# Allegro board nu_2000_main_211102_02.brd (continued)
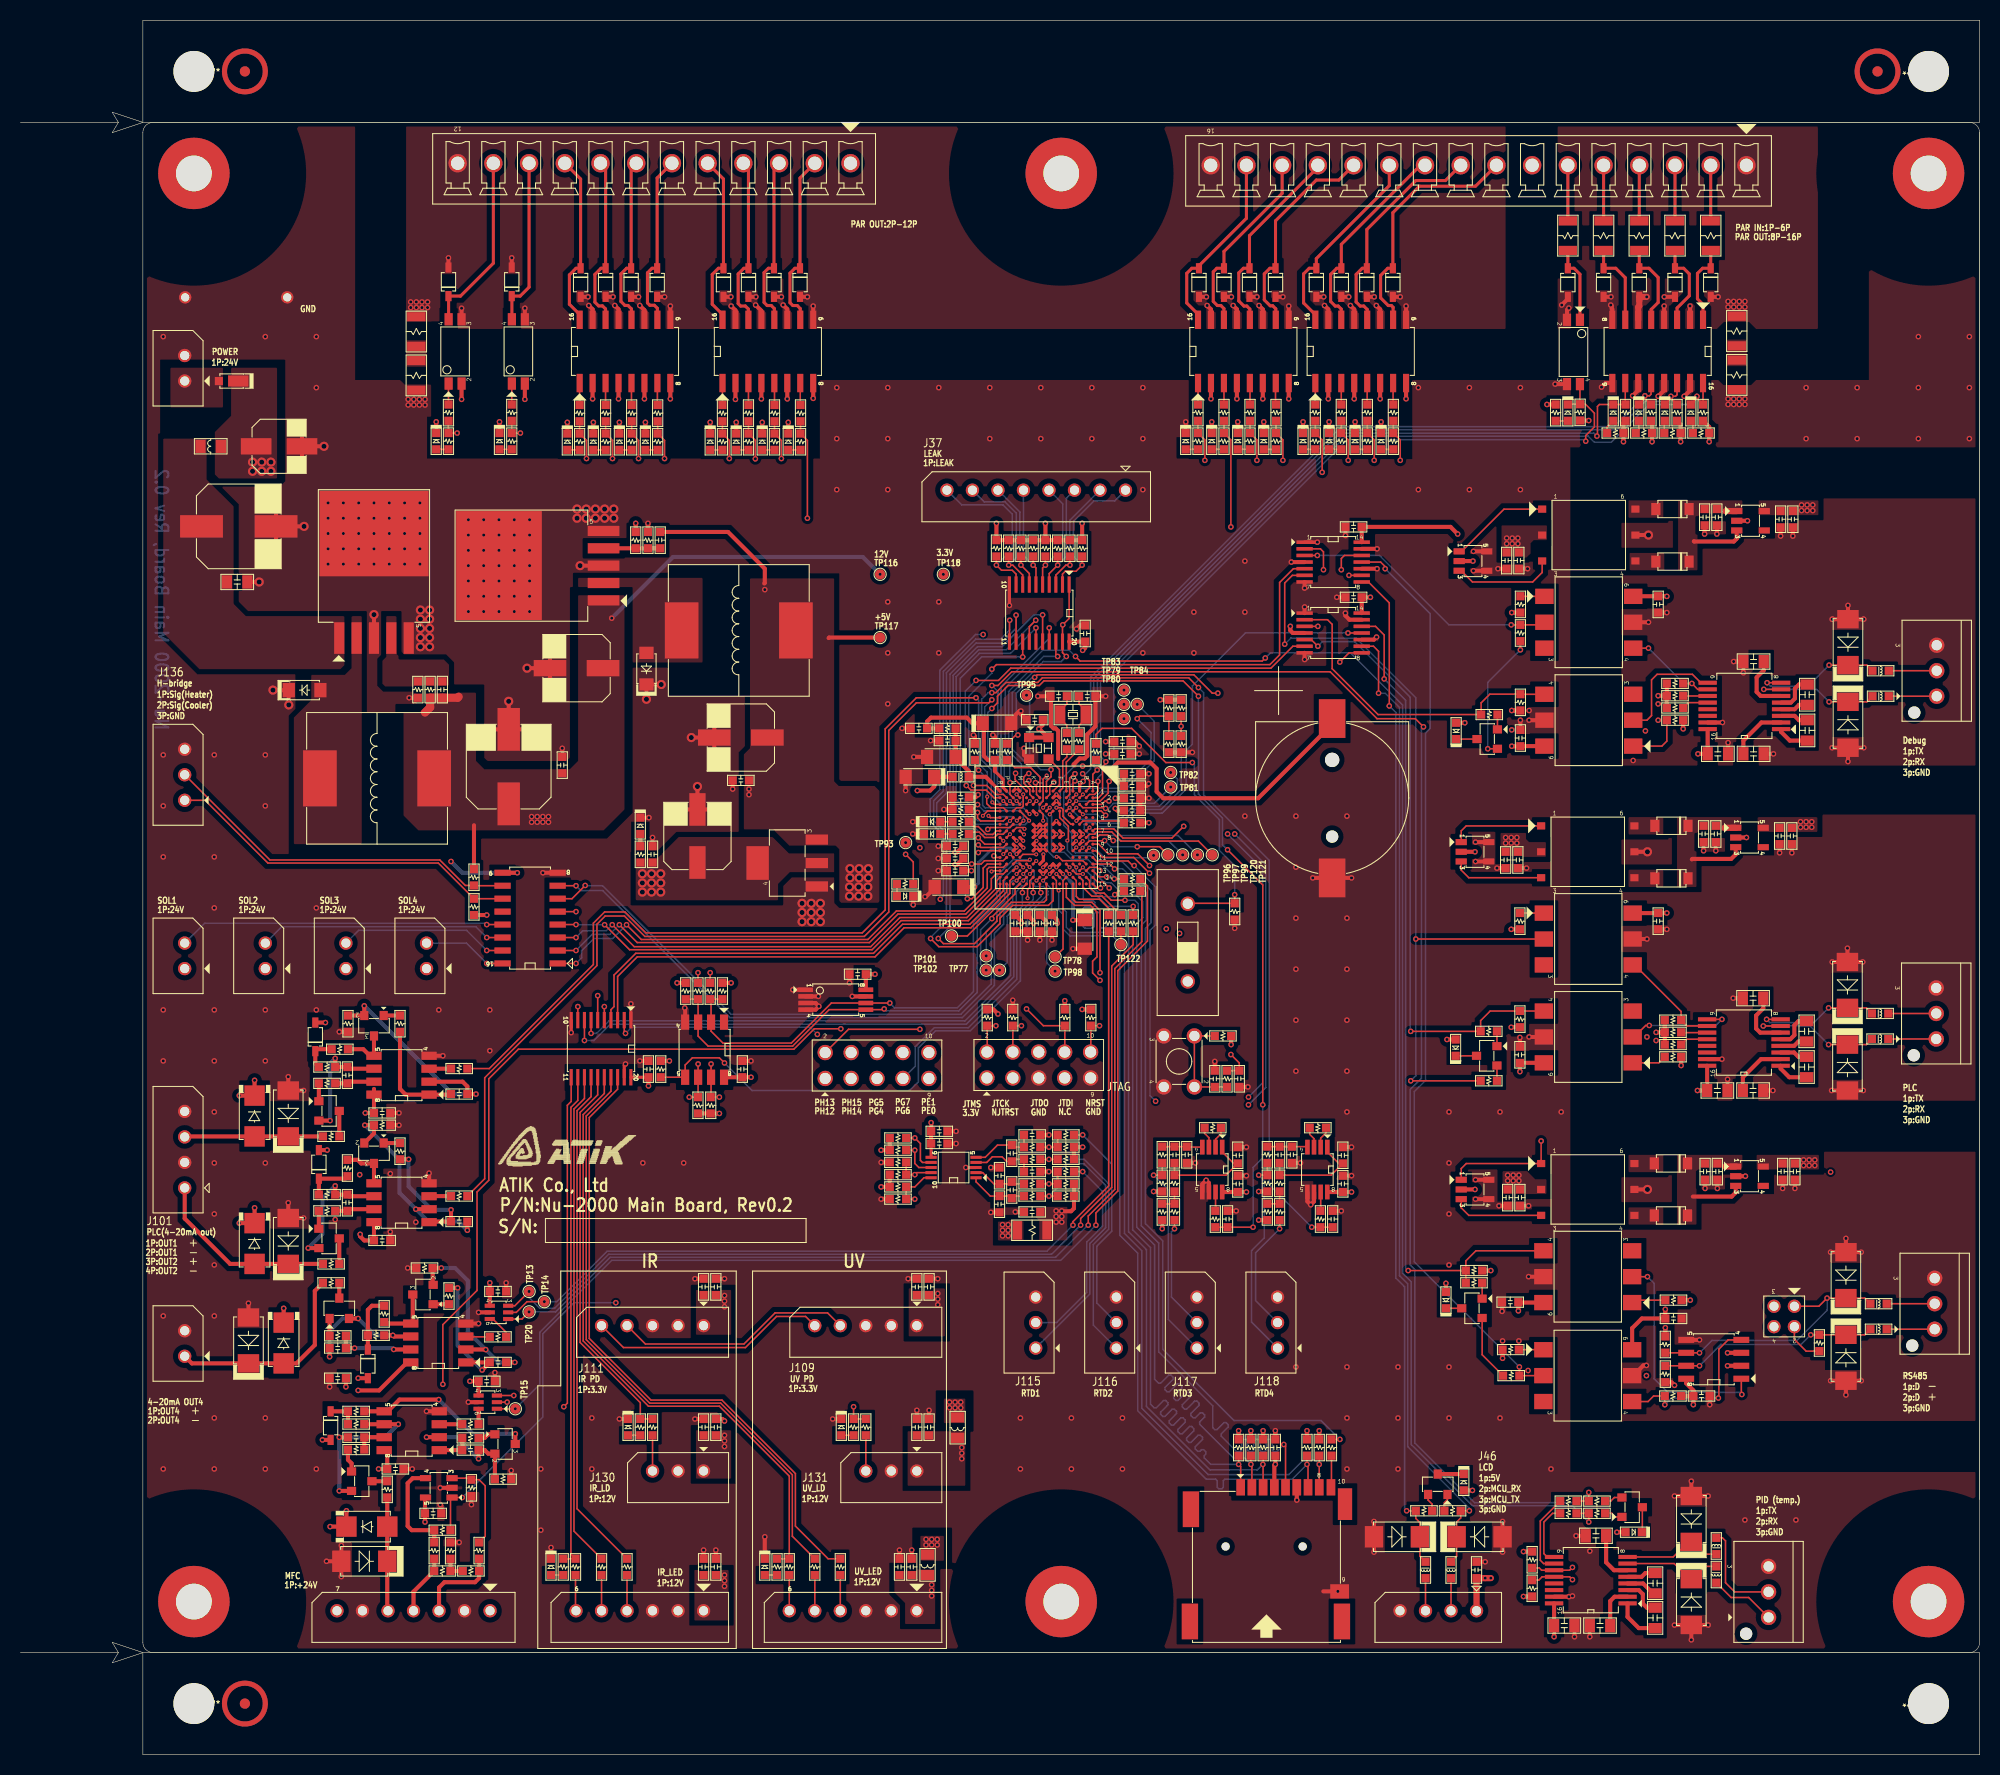
[diagram p0: board, top side]
## Placement (name value [footprint] x y rotation side) (continued)
NOREF#111  -  []  66.9 87.15 90 top
NOREF#112  -  []  38.25 38.45 0 top
NOREF#113  -  []  89 84.15 0 top
NOREF#114  -  []  115.8 61.2 90 top
NOREF#115  -  []  131.95 142.9 90 top
NOREF#116  -  []  46.5 29.5 90 top
NOREF#117  -  []  161.35 148.9 90 top
NOREF#118  -  []  60.1 65.6 90 top
NOREF#119  -  []  37.2 21.5 90 top
NOREF#120  -  []  54.9 142.9 90 top
NOREF#121  -  []  23.1 60.55 0 top
NOREF#122  -  []  77.85 14.1 0 top
NOREF#123  -  []  29.25 62.15 90 top
NOREF#124  -  []  56.95 14.1 0 top
NOREF#125  -  []  128.07 55.15 90 top
NOREF#126  -  []  166.2 67.6 90 top
NOREF#127  -  []  131.75 58.9 90 top
NOREF#128  -  []  115.83 59.55 0 top
NOREF#129  -  []  150.85 148.9 90 top
NOREF#130  -  []  125.66 20.4 90 top
NOREF#131  -  []  175.75 44.7 0 top
NOREF#132  -  []  164.82 11 0 top
NOREF#133  -  []  20.95 122.05 0 top
NOREF#134  -  []  41.85 89.25 90 top
NOREF#135  -  []  119.58 26.2 0 top
NOREF#136  -  []  149.35 108.46 0 top
NOREF#137  -  []  90.3 11 90 top
NOREF#138  -  []  143.8 53.5 90 top
NOREF#139  -  []  162.15 142.9 90 top
NOREF#140  -  []  149.25 49.39 0 top
NOREF#141  -  []  45.2 28.95 0 top
NOREF#142  -  []  36.35 109.45 0 top
NOREF#143  -  []  170.7 54.8 90 top
NOREF#144  -  []  26.2 49.25 90 top
NOREF#145  -  []  30.3 42.75 0 top
NOREF#146  -  []  23.1 45.15 90 top
NOREF#147  -  []  71.4 143.8 90 top
NOREF#148  -  []  89.45 96.8 0 top
NOREF#149  -  []  158.65 142.9 90 top
NOREF#150  -  []  75.35 14.1 0 top
NOREF#151  -  []  132.65 145.2 0 top
NOREF#152  -  []  23.1 49.2 0 top
NOREF#153  -  []  160.6 20.8 0 top
NOREF#154  -  []  123.85 101.25 0 top
NOREF#155  -  []  173.85 41.95 90 top
NOREF#156  -  []  157.65 143.8 90 top
NOREF#157  -  []  76.4 142.9 90 top
NOREF#158  -  []  179.1 106.8 90 top
NOREF#159  -  []  47.4 132.35 90 top
NOREF#160  -  []  32.1 25.35 90 top
NOREF#161  -  []  175.9 73.15 0 top
NOREF#162  -  []  27.7 92.85 0 top
NOREF#163  -  []  59.2 105.4 0 top
NOREF#164  -  []  70.5 144.6 0 top
NOREF#165  -  []  181.1 32.45 90 top
NOREF#166  -  []  157.53 90.2 0 top
NOREF#167  -  []  44.3 32.05 90 top
NOREF#168  -  []  174.85 40.95 0 top
NOREF#169  -  []  68.9 142.9 90 top
NOREF#170  -  []  157 115.45 0 top
NOREF#171  -  []  118.11 20.4 0 top
NOREF#172  -  []  22.95 48.1 90 top
NOREF#173  -  []  159.72 90.35 0 top
NOREF#174  -  []  28.9 61.65 90 top
NOREF#175  -  []  22.95 60.6 90 top
NOREF#176  -  []  26.25 60.6 90 top
NOREF#177  -  []  123.7 145.2 0 top
NOREF#178  -  []  49.44 134.4 90 top
NOREF#179  -  []  93.7 100.2 0 top
NOREF#180  -  []  23.1 48.05 0 top
NOREF#181  -  []  185.55 68.55 0 top
NOREF#182  -  []  26.15 124.5 90 top
NOREF#183  -  []  33.15 56.85 90 top
NOREF#184  -  []  78.05 87.4 90 top
NOREF#185  -  []  179.05 73.2 90 top
NOREF#186  -  []  168.2 120 0 top
NOREF#187  -  []  30.15 58.25 0 top
NOREF#188  -  []  30.35 56.6 0 top
NOREF#189  -  []  33.3 57.5 90 top
NOREF#190  -  []  128.55 85.94 90 top
NOREF#191  -  []  168.16 35.27 90 top
NOREF#192  -  []  76.95 73.03 0 top
NOREF#193  -  []  30.95 47.7 90 top
NOREF#194  -  []  157.7 14.35 90 top
NOREF#195  -  []  163.75 148 90 top
NOREF#196  -  []  157.05 65.1 90 top
NOREF#197  -  []  30.15 70.75 0 top
NOREF#198  -  []  159.72 85.2 0 top
NOREF#199  -  []  19.7 42.65 0 top
NOREF#200  -  []  73.85 143.8 90 top
NOREF#201  -  []  36.1 28.3 90 top
NOREF#202  -  []  148.73 122.44 0 top
NOREF#203  -  []  181.3 94.5 90 top
NOREF#204  -  []  64.1 133.55 90 top
NOREF#205  -  []  187.6 44.2 90 top
NOREF#206  -  []  43.05 142.07 90 top
NOREF#207  -  []  29.75 129.15 90 top
NOREF#208  -  []  93.45 65.1 90 top
NOREF#209  -  []  173 69.65 0 top
NOREF#210  -  []  68.05 144.6 0 top
NOREF#211  -  []  25.8 38.35 90 top
NOREF#212  -  []  106.4 79.7 90 top
NOREF#213  -  []  46.15 29 90 top
NOREF#214  -  []  29.25 62.15 90 top
NOREF#215  -  []  19.2 39.45 0 top
NOREF#216  -  []  136.1 17 90 top
NOREF#217  -  []  103.05 108.3 90 top
NOREF#218  -  []  154.3 144.6 0 top
NOREF#219  -  []  140.75 21.35 0 top
NOREF#220  -  []  54.65 78.5 90 top
NOREF#221  -  []  142.75 99.55 90 top
NOREF#222  -  []  105.1 82 0 top
NOREF#223  -  []  79.1 152 90 top
NOREF#224  -  []  42.7 111 0 top
NOREF#225  -  []  93.1 84.35 90 top
NOREF#226  -  []  149.75 148 90 top
NOREF#227  -  []  63.1 145.2 0 top
NOREF#228  -  []  178.85 36.95 90 top
NOREF#229  -  []  64.8 65.65 90 top
NOREF#230  -  []  162.4 16.45 0 top
NOREF#231  -  []  28.9 49.15 90 top
NOREF#232  -  []  66.9 90.65 0 top
NOREF#233  -  []  43.65 40.98 90 top
NOREF#234  -  []  31.35 34.25 0 top
NOREF#235  -  []  88.25 96.9 0 top
NOREF#236  -  []  157.47 52 0 top
NOREF#237  -  []  157.2 85.1 90 top
NOREF#238  -  []  12 160 0 top
NOREF#239  -  []  148.63 58.29 0 top
NOREF#240  -  []  177.75 110.55 0 top
NOREF#241  -  []  151.56 134.35 90 top
NOREF#242  -  []  160.32 50.3 90 top
NOREF#243  -  []  149.3 70.35 90 top
NOREF#244  -  []  120.45 143.8 90 top
NOREF#245  -  []  59 144.6 0 top
NOREF#246  -  []  36.35 30.25 90 top
NOREF#247  -  []  38.1 43.65 90 top
NOREF#248  -  []  131.95 143.8 90 top
NOREF#249  -  []  134.5 142.9 90 top
NOREF#250  -  []  177.75 102.45 0 top
NOREF#251  -  []  130.15 145.2 0 top
NOREF#252  -  []  77.6 65.05 0 top
NOREF#253  -  []  126.1 135.2 90 top
NOREF#254  -  []  89.75 95.05 0 top
NOREF#255  -  []  171.85 43.95 0 top
NOREF#256  -  []  166.3 138.65 0 top
NOREF#257  -  []  175.75 45.85 0 top
NOREF#258  -  []  153.6 137.1 0 top
NOREF#259  -  []  131.1 144.6 0 top
NOREF#260  -  []  114.6 135.2 0 top
NOREF#261  -  []  158.95 41.25 0 top
NOREF#262  -  []  191.4 14.65 90 top
NOREF#263  -  []  19.7 39.65 90 top
NOREF#264  -  []  164.2 136.85 0 top
NOREF#265  -  []  34.15 23.9 90 top
NOREF#266  -  []  29.05 39.5 90 top
NOREF#267  -  []  122.95 143.8 90 top
NOREF#268  -  []  161.3 144.6 0 top
NOREF#269  -  []  167.2 140.45 0 top
NOREF#270  -  []  58.05 145.2 0 top
NOREF#271  -  []  168.65 39.39 90 top
NOREF#272  -  []  157.62 116.1 0 top
NOREF#273  -  []  57.4 143.8 90 top
NOREF#274  -  []  121.15 145.2 0 top
NOREF#275  -  []  104.45 85.35 0 top
NOREF#276  -  []  157.2 52 90 top
NOREF#277  -  []  163.75 12.7 90 top
NOREF#278  -  []  150.3 42.4 0 top
NOREF#279  -  []  171.45 98.3 90 top
NOREF#280  -  []  28.57 11 0 top
NOREF#281  -  []  71.35 142.9 90 top
NOREF#282  -  []  151.56 134.35 0 top
NOREF#283  -  [unnamed#4]  22 165 0 top
NOREF#284  -  []  45 121.67 0 top
NOREF#285  -  []  30 68.06 90 top
NOREF#286  -  []  92.6 84.25 0 top
NOREF#287  -  []  191.3 132.05 90 top
NOREF#288  -  []  156.75 148 90 top
NOREF#289  -  []  29.25 56.46 90 top
NOREF#290  -  []  69.6 145.2 0 top
NOREF#291  -  []  156.95 23.3 90 top
NOREF#292  -  []  94.9 100.1 0 top
NOREF#293  -  []  160.72 116 0 top
NOREF#294  -  []  16.85 52.4 0 top
NOREF#295  -  []  149.03 57.94 0 top
NOREF#296  -  []  166.3 134.35 0 top
NOREF#297  -  []  27.95 61.6 0 top
NOREF#298  -  []  162.4 24.6 0 top
NOREF#299  -  []  160.47 119.55 90 top
NOREF#300  -  []  28.55 56.96 0 top
NOREF#301  -  []  132.6 19.9 90 top
NOREF#302  -  []  97.25 50.5 0 top
NOREF#303  -  []  177.7 68.85 0 top
NOREF#304  -  []  30.35 55.56 90 top
NOREF#305  -  []  164.82 4.2 90 top
NOREF#306  -  []  38 135.2 90 top
NOREF#307  -  []  161.09 134.45 0 top
NOREF#308  -  []  149.03 52.86 90 top
NOREF#309  -  []  30.4 30.85 90 top
NOREF#310  -  []  19.7 63.45 0 top
NOREF#311  -  []  104.88 66.33 90 top
NOREF#312  -  []  83.8 165.8 0 top
NOREF#313  -  []  150.65 149.8 0 top
NOREF#314  -  []  149.25 46.85 90 top
NOREF#315  -  []  28.2 69.46 0 top
NOREF#316  -  []  123 142.9 90 top
NOREF#317  -  []  118.11 20.4 0 top
NOREF#318  -  []  30.55 17.8 0 top
NOREF#319  -  []  65.15 71.8 0 top
NOREF#320  -  []  72.05 145.2 0 top
NOREF#321  -  []  149.13 122.09 0 top
NOREF#322  -  []  165.85 77.8 90 top
NOREF#323  -  []  129.5 143.8 90 top
NOREF#324  -  []  28.9 68.96 90 top
NOREF#325  -  []  78.87 66.28 0 top
NOREF#326  -  []  28.4 58.16 0 top
NOREF#327  -  []  91.85 97 0 top
NOREF#328  -  []  32.35 20.45 0 top
NOREF#329  -  []  38 139.5 90 top
NOREF#330  -  []  118.11 20.4 0 top
NOREF#331  -  []  143 68.6 90 top
NOREF#332  -  []  26.3 104.35 0 top
NOREF#333  -  []  30.95 60.2 90 top
NOREF#334  -  []  47.45 143.47 0 top
NOREF#335  -  []  160.38 83.35 90 top
NOREF#336  -  []  143.6 115.1 90 top
NOREF#337  -  []  97.8 100.4 90 top
NOREF#338  -  []  62.35 143.8 90 top
NOREF#339  -  []  118.11 20.4 0 top
NOREF#340  -  []  147.65 150.5 0 top
NOREF#341  -  []  165.7 130.5 0 top
NOREF#342  -  []  156.75 148 0 top
NOREF#343  -  []  157.62 121.25 0 top
NOREF#344  -  []  118.35 62 0 top
NOREF#345  -  []  129.44 140.65 0 top
NOREF#346  -  []  64.9 143.8 90 top
NOREF#347  -  []  29.3 103.4 90 top
NOREF#348  -  []  150 85.1 0 top
NOREF#349  -  []  77.6 65.05 90 top
NOREF#350  -  []  35.1 63.15 90 top
NOREF#351  -  []  47.4 132.35 0 top
NOREF#352  -  []  30.45 114.15 0 top
NOREF#353  -  []  164.2 141.15 0 top
NOREF#354  -  []  187.8 106.25 90 top
NOREF#355  -  []  153.25 148 0 top
NOREF#356  -  []  22.35 38.35 90 top
NOREF#357  -  []  25.7 103.3 0 top
NOREF#358  -  []  116.2 145.2 0 top
NOREF#359  -  []  160.6 21.95 0 top
NOREF#360  -  []  143.05 99.65 90 top
NOREF#361  -  []  137.4 27.2 0 top
NOREF#362  -  []  150 52 0 top
NOREF#363  -  []  21.05 133.8 0 top
NOREF#364  -  []  153.6 137.1 90 top
NOREF#365  -  []  148.63 91.39 0 top
NOREF#366  -  []  159.2 35.8 90 top
NOREF#367  -  []  86.15 94.95 0 top
NOREF#368  -  []  60.55 145.2 0 top
NOREF#369  -  []  33.2 38.6 0 top
NOREF#370  -  []  141.25 43.75 90 top
NOREF#371  -  []  31.4 17.5 90 top
NOREF#372  -  []  43.23 134.4 90 top
NOREF#373  -  []  89.03 66.28 90 top
NOREF#374  -  []  166.3 134.35 90 top
NOREF#375  -  []  144.7 67.55 90 top
NOREF#376  -  []  156.9 41.6 0 top
NOREF#377  -  []  150.8 144.6 0 top
NOREF#378  -  []  172.85 38.3 90 top
NOREF#379  -  []  114.65 144.6 0 top
NOREF#380  -  []  137.95 25.5 0 top
NOREF#381  -  []  118 143.8 90 top
NOREF#382  -  []  92.35 97.1 90 top
NOREF#383  -  []  157.1 105.75 90 top
NOREF#384  -  []  179.1 98.7 90 top
NOREF#385  -  []  156.95 84.4 0 top
NOREF#386  -  []  163.75 148 0 top
NOREF#387  -  []  50.38 111.35 90 top
NOREF#388  -  []  59.85 143.8 90 top
NOREF#389  -  []  34.65 57.95 90 top
NOREF#390  -  []  90.25 95.15 90 top
NOREF#391  -  []  16.85 61.9 90 top
NOREF#392  -  []  166.3 138.65 90 top
NOREF#393  -  []  165.01 35.27 0 top
NOREF#394  -  []  57.35 142.9 90 top
NOREF#395  -  []  134.45 143.8 90 top
NOREF#396  -  []  171.6 165.6 0 top
NOREF#397  -  []  159.35 145.2 0 top
NOREF#398  -  []  63.3 103.1 90 top
NOREF#399  -  []  157 41.6 90 top
NOREF#400  -  []  168.15 143.8 90 top
NOREF#401  -  []  128.65 62 0 top
NOREF#402  -  []  21.55 133.85 0 top
NOREF#403  -  []  136.1 19.9 0 top
NOREF#404  -  []  24.9 51.85 0 top
NOREF#405  -  []  157.95 34.61 90 top
NOREF#406  -  []  173 66.75 90 top
NOREF#407  -  []  103.5 79.4 0 top
NOREF#408  -  []  164.65 149.8 0 top
NOREF#409  -  []  40.05 67.23 90 top
NOREF#410  -  []  125.83 54.42 90 top
NOREF#411  -  []  126.1 135.2 0 top
NOREF#412  -  []  74.55 145.2 0 top
NOREF#413  -  []  29.25 49.65 90 top
NOREF#414  -  []  24.55 127.5 90 top
NOREF#415  -  []  154.15 149.8 0 top
NOREF#416  -  []  41.2 132.35 90 top
NOREF#417  -  []  165.8 35 90 top
NOREF#418  -  []  158.05 108.46 90 top
NOREF#419  -  []  29.75 44.45 0 top
NOREF#420  -  []  160.25 148 0 top
NOREF#421  -  []  38.7 36.9 90 top
NOREF#422  -  []  35.65 29.84 0 top
NOREF#423  -  []  77.1 145.2 0 top
NOREF#424  -  []  159.82 116.25 0 top
NOREF#425  -  []  35.35 65.1 90 top
NOREF#426  -  []  31.1 33.15 0 top
NOREF#427  -  []  166.35 145.2 0 top
NOREF#428  -  []  140.9 42.3 90 top
NOREF#429  -  []  54.45 14.1 0 top
NOREF#430  -  []  118.11 20.4 90 top
NOREF#431  -  []  158.65 21.35 90 top
NOREF#432  -  []  154.15 143.8 90 top
NOREF#433  -  []  41.25 143.47 0 top
NOREF#434  -  []  159.85 100.6 0 top
NOREF#435  -  []  36.9 138.6 0 top
NOREF#436  -  []  55.6 145.2 0 top
NOREF#437  -  []  32.9 31.75 90 top
NOREF#438  -  []  38.75 45.2 90 top
NOREF#439  -  []  154.65 150.5 0 top
NOREF#440  -  []  128.6 144.6 0 top
NOREF#441  -  []  73.85 142.9 90 top
NOREF#442  -  []  26.25 48.1 90 top
NOREF#443  -  []  21 42.1 0 top
NOREF#444  -  []  35.1 50.65 90 top
NOREF#445  -  []  31.45 18.95 0 top
NOREF#446  -  []  95.55 74.9 0 top
NOREF#447  -  []  19.2 35.4 90 top
NOREF#448  -  []  140.4 25.8 90 top
NOREF#449  -  []  159.8 67.6 0 top
NOREF#450  -  []  102.78 109.1 90 top
NOREF#451  -  []  137.55 25.05 90 top
NOREF#452  -  []  115.51 22.2 0 top
NOREF#453  -  []  149.35 103.94 0 top
NOREF#454  -  []  118.11 20.4 0 top
NOREF#455  -  []  165.3 133.55 90 top
NOREF#456  -  []  29.55 32.55 0 top
NOREF#457  -  []  27.95 49.1 0 top
NOREF#458  -  []  142.7 68.5 90 top
NOREF#459  -  []  156.6 22.8 90 top
NOREF#460  -  []  39.77 121.6 0 top
NOREF#461  -  []  160.57 57 0 top
NOREF#462  -  []  68 135.2 90 top
NOREF#463  -  []  140.05 101.05 0 top
NOREF#464  -  []  16.85 64.9 0 top
NOREF#465  -  []  155.15 142.9 90 top
NOREF#466  -  []  158 77.41 90 top
NOREF#467  -  []  139.85 20.2 0 top
NOREF#468  -  []  64.55 63.1 90 top
NOREF#469  -  []  114.4 75.79 90 top
NOREF#470  -  []  102.3 79.5 0 top
NOREF#471  -  []  142.35 67.05 90 top
NOREF#472  -  []  149.75 148 0 top
NOREF#473  -  []  34.65 52.2 0 top
NOREF#474  -  []  46.7 34.55 90 top
NOREF#475  -  []  181.3 101.3 0 top
NOREF#476  -  []  157.85 148.9 90 top
NOREF#477  -  []  149.65 46.9 90 top
NOREF#478  -  []  36.9 138.6 90 top
NOREF#479  -  []  46 42.7 0 top
NOREF#480  -  []  151.15 150.5 0 top
NOREF#481  -  []  32.45 25.85 90 top
NOREF#482  -  []  94.35 50.6 0 top
NOREF#483  -  []  45.4 40.85 0 top
NOREF#484  -  []  160.25 148 90 top
NOREF#485  -  []  150.4 96.95 0 top
NOREF#486  -  []  22.55 41.2 0 top
NOREF#487  -  []  49.25 142.07 90 top
NOREF#488  -  []  175.95 99.8 0 top
NOREF#489  -  []  117.94 140.65 0 top
NOREF#490  -  []  42.3 25.2 90 top
NOREF#491  -  [unnamed#4]  182 165 180 top
NOREF#492  -  []  68 135.2 0 top
NOREF#493  -  []  157.47 57.1 0 top
NOREF#494  -  []  167.2 136.15 0 top
NOREF#495  -  []  94.1 101.9 0 top
NOREF#496  -  []  98.85 99.7 0 top
NOREF#497  -  []  37.8 140.4 0 top
NOREF#498  -  []  34.65 70.45 90 top
NOREF#499  -  []  41.1 144.68 0 top
NOREF#500  -  []  101.55 99.7 90 top
NOREF#501  -  []  185.55 68.55 90 top
NOREF#502  -  []  132.6 22.8 0 top
NOREF#503  -  []  144.8 14.9 0 top
NOREF#504  -  []  33.7 59.95 0 top
NOREF#505  -  []  27.05 17.85 90 top
NOREF#506  -  []  28.05 102.15 0 top
NOREF#507  -  []  68.95 66.4 90 top
NOREF#508  -  []  175.95 107.9 0 top
NOREF#509  -  []  44.3 32.05 0 top
NOREF#510  -  []  149.35 101.4 90 top
NOREF#511  -  []  118.65 145.2 0 top
NOREF#512  -  []  63.5 116.65 0 top
NOREF#513  -  []  181.25 67.7 0 top
NOREF#514  -  []  165.3 67.53 90 top
NOREF#515  -  []  160.47 114.4 90 top
NOREF#516  -  []  165.65 142.9 90 top
NOREF#517  -  []  31.02 14.1 0 top
NOREF#518  -  []  32.75 43.05 90 top
NOREF#519  -  []  122.15 144.6 0 top
NOREF#520  -  []  167.4 135.25 90 top
NOREF#521  -  []  34.75 39.2 0 top
NOREF#522  -  []  187.75 72.65 90 top
NOREF#523  -  []  166.9 151.8 90 top
NOREF#524  -  []  57.15 118.25 90 top
NOREF#525  -  []  160.62 84.95 0 top
NOREF#526  -  []  163.25 36.84 0 top
NOREF#527  -  []  105.55 74.9 90 top
NOREF#528  -  []  160.6 13.8 0 top
NOREF#529  -  []  34.8 136.8 0 top
NOREF#530  -  []  63.15 107.35 0 top
NOREF#531  -  []  116.65 155.8 0 top
NOREF#532  -  []  57.34 140.65 0 top
NOREF#533  -  []  185.6 102.15 90 top
NOREF#534  -  []  141.65 22.85 0 top
NOREF#535  -  []  37.15 27.65 0 top
NOREF#536  -  []  141.55 43.85 90 top
NOREF#537  -  []  126.15 144.6 0 top
NOREF#538  -  []  26.4 105.3 0 top
NOREF#539  -  []  31.95 22.35 0 top
NOREF#540  -  []  114.61 13.05 90 top
NOREF#541  -  []  164.65 143.8 90 top
NOREF#542  -  []  123.85 101.25 0 top
NOREF#543  -  []  157.1 96.15 90 top
NOREF#544  -  []  170.8 119.05 90 top
NOREF#545  -  []  45.05 138.8 0 top
NOREF#546  -  []  153.25 148 90 top
NOREF#547  -  []  44.9 33.9 0 top
NOREF#548  -  []  12 10 0 top
NOREF#549  -  []  127.7 145.2 0 top
NOREF#550  -  []  41.95 142.97 90 top
NOREF#551  -  []  59.55 67.1 0 top
NOREF#552  -  []  41.2 132.35 0 top
NOREF#553  -  []  131 106.35 90 top
NOREF#554  -  []  229 158.7 90 top
NOREF#555  -  []  26.15 127.5 90 top
NOREF#556  -  []  28.05 70.66 0 top
NOREF#557  -  []  33.7 72.45 0 top
NOREF#558  -  []  152.35 145.2 0 top
NOREF#559  -  []  115.5 142.9 90 top
NOREF#560  -  []  169.12 11.85 90 top
NOREF#561  -  []  125.85 114.95 0 top
NOREF#562  -  []  31.4 20.4 0 top
NOREF#563  -  []  114.86 25.8 0 top
NOREF#564  -  []  121.45 58.9 90 top
NOREF#565  -  []  94.72 66.33 0 top
NOREF#566  -  []  160.57 51.9 0 top
NOREF#567  -  []  160.62 90.1 0 top
NOREF#568  -  []  159.25 59.3 90 top
NOREF#569  -  []  115.53 54.42 90 top
NOREF#570  -  []  38.85 138.8 0 top
NOREF#571  -  []  118.11 20.4 0 top
NOREF#572  -  []  165.35 100.53 90 top
NOREF#573  -  []  97.1 86.75 0 top
NOREF#574  -  []  164.8 144.6 0 top
NOREF#575  -  []  40.15 25.95 90 top
NOREF#576  -  []  175.75 41.8 90 top
NOREF#577  -  []  160.32 55.4 90 top
NOREF#578  -  []  41.05 32.39 90 top
NOREF#579  -  []  175.75 37.75 0 top
NOREF#580  -  []  61.55 144.6 0 top
NOREF#581  -  []  38.45 45.1 90 top
NOREF#582  -  []  166.25 100.6 90 top
NOREF#583  -  []  60.4 105 0 top
NOREF#584  -  []  39.7 25.2 0 top
NOREF#585  -  []  31 92.95 0 top
NOREF#586  -  []  148.45 138.75 0 top
NOREF#587  -  []  163.75 35.27 90 top
NOREF#588  -  []  181.25 60.9 90 top
NOREF#589  -  []  71.34 140.65 0 top
NOREF#590  -  []  23.1 57.65 90 top
NOREF#591  -  []  161.15 149.8 0 top
NOREF#592  -  []  19.2 38.3 0 top
NOREF#593  -  []  185.6 102.15 0 top
NOREF#594  -  []  75.55 144.6 0 top
NOREF#595  -  []  141.2 54.45 0 top
NOREF#596  -  []  97.55 49 90 top
NOREF#597  -  []  179.05 65.1 90 top
NOREF#598  -  []  33.95 42.85 0 top
NOREF#599  -  []  157.65 149.8 0 top
NOREF#600  -  []  34.65 64.69 0 top
NOREF#601  -  []  177.7 76.95 0 top
NOREF#602  -  []  47.8 43.35 90 top
NOREF#603  -  []  149.25 34.61 0 top
NOREF#604  -  []  155.85 145.2 0 top
NOREF#605  -  []  160.72 121.15 0 top
NOREF#606  -  []  61.35 104.9 90 top
NOREF#607  -  []  160.6 17.9 90 top
NOREF#608  -  []  133.65 144.6 0 top
NOREF#609  -  []  38.95 38.85 90 top
NOREF#610  -  []  133.55 22.85 0 top
NOREF#611  -  []  155.65 22.75 0 top
NOREF#612  -  []  111.4 80.75 90 top
NOREF#613  -  []  161.65 150.5 0 top
NOREF#614  -  []  150.35 65.9 0 top
NOREF#615  -  []  41.97 140.7 0 top
NOREF#616  -  []  140 70 0 top
NOREF#617  -  []  165.7 130.5 90 top
NOREF#618  -  []  168.1 88.95 0 top
NOREF#619  -  []  132.65 21.35 0 top
NOREF#620  -  []  171.4 65.3 90 top
NOREF#621  -  []  113.91 11.2 0 top
NOREF#622  -  []  129.36 11 90 top
NOREF#623  -  []  149.3 72.89 0 top
NOREF#624  -  []  46.5 29.5 90 top
NOREF#625  -  []  143.8 86.6 90 top
NOREF#626  -  []  170.7 88 90 top
NOREF#627  -  []  169.12 11.85 0 top
NOREF#628  -  [unnamed#4]  22 5 0 top
NOREF#629  -  []  40.05 54.73 90 top
NOREF#630  -  []  78.9 143.8 90 top
NOREF#631  -  []  56.5 144.6 0 top
NOREF#632  -  []  111.3 65.7 0 top
NOREF#633  -  []  52 14.9 0 top
NOREF#634  -  []  150.1 116.15 0 top
NOREF#635  -  []  171.32 15.95 90 top
NOREF#636  -  []  23.1 61.7 0 top
NOREF#637  -  []  77.3 103.75 90 top
NOREF#638  -  []  149.13 117.01 90 top
NOREF#639  -  []  160.38 88.5 90 top
NOREF#640  -  []  157 31.9 90 top
NOREF#641  -  []  165.9 108.85 90 top
NOREF#642  -  []  97.25 50.5 90 top
NOREF#643  -  []  29.25 49.65 90 top
NOREF#644  -  []  34.8 141.1 0 top
NOREF#645  -  []  178.9 44.75 90 top
NOREF#646  -  []  149.3 77.41 0 top
NOREF#647  -  []  66.45 107.45 0 top
NOREF#648  -  []  159.68 52.15 0 top
NOREF#649  -  []  157.05 74.7 90 top
NOREF#650  -  []  54 135.2 0 top
NOREF#651  -  []  142.4 98.1 90 top
NOREF#652  -  []  138.55 45.25 0 top
NOREF#653  -  []  72.25 87.4 90 top
NOREF#654  -  []  156.95 23.3 90 top
NOREF#655  -  []  47.3 144.68 0 top
NOREF#656  -  []  87.35 94.85 0 top
NOREF#657  -  []  157.3 116.15 90 top
NOREF#658  -  []  73 144.6 0 top
NOREF#659  -  []  127.2 158.9 90 top
NOREF#660  -  []  48.16 140.7 0 top
NOREF#661  -  []  123.47 99.27 0 top
NOREF#662  -  []  96 94.45 0 top
NOREF#663  -  []  78.1 133.55 90 top
NOREF#664  -  []  115.31 11.2 0 top
NOREF#665  -  []  141.2 87.55 0 top
NOREF#666  -  []  149.03 91.04 0 top
NOREF#667  -  []  176.95 83.4 90 top
NOREF#668  -  []  128.55 89.99 90 top
NOREF#669  -  []  117.95 142.9 90 top
NOREF#670  -  []  173.05 103.25 0 top
NOREF#671  -  []  125.5 143.8 90 top
NOREF#672  -  []  175.95 103.85 90 top
NOREF#673  -  []  35.35 52.6 90 top
NOREF#674  -  [unnamed#4]  22 5 180 bottom
NOREF#675  -  [unnamed#4]  22 165 180 bottom
NOREF#676  -  [unnamed#4]  182 165 0 bottom
Q100  SI2319  [SOT23_3P_E]  30.25 50.6 270 top
Q101  2N7002  [SOT23_3P_I]  34.65 58.95 180 top
Q102  SI2319  [SOT23_3P_E]  30.25 63.1 270 top
Q103  2N7002  [SOT23_3P_I]  34.65 71.45 180 top
Q104  SI2319  [SOT23_3P_E]  33.45 26.8 270 top
Q105  2N7002  [SOT23_3P_I]  47.5 30.45 270 top
Q106  SI2319  [SOT23_3P_E]  31.25 43.75 0 top
Q107  2N7002  [SOT23_3P_I]  39.45 45.1 90 top
R1  10K/1608  [R1608]  117.85 70.45 0 top
R2  0/1608  [R1608]  103.75 99.35 90 top
R3  0/1608  [R1608]  96.7 98.3 270 top
R4  1K/1608  [R1608]  118.25 66.25 270 top
R5  10K/1608  [R1608]  108.95 91.35 180 top
R6  0/1608  [R1608]  102.55 99.35 90 top
R7  10K/1608  [R1608]  93.55 98.3 90 top
R8  0/1608  [R1608]  105.4 98.3 270 top
R9  10K/1608  [R1608]  92.15 92.65 0 top
R10  1K/1608  [R1608]  92.15 91.45 180 top
R11  2K/1608  [R1608]  92.15 90.25 180 top
R12  10/1608  [R1608]  90.85 100.6 180 top
R13  47K/1608  [R1608]  119.39 30.1 90 top
R14  47K/1608  [R1608]  120.58 30.1 90 top
R15  47K/1608  [R1608]  121.78 30.1 90 top
R16  47K/1608  [R1608]  126.08 30.1 90 top
R17  47K/1608  [R1608]  127.28 30.1 90 top
R19  10K/1608  [R1608]  68.8 74.85 90 top
R20  10K/1608  [R1608]  65.2 74.85 90 top
R21  100K/1608  [R1608]  94.75 72.25 90 top
R22  100K/1608  [R1608]  102.35 72.25 90 top
R23  100K/1608  [R1608]  104.9 72.25 90 top
R24  0/1608  [R1608]  128.49 30.1 90 top
R25  100K/1608  [R1608]  97.25 72.25 270 top
R28  21K_F/1608  [R1608]  40.15 104.4 90 top
R30  2.4K_F/1608  [R1608]  38.95 104.4 270 top
R33  47K/1608  [R1608]  95.65 118.25 90 top
R34  47K/1608  [R1608]  96.85 118.25 90 top
R35  47K/1608  [R1608]  98.05 118.25 90 top
R36  47K/1608  [R1608]  99.25 118.25 90 top
R37  47K/1608  [R1608]  100.45 118.25 90 top
R38  47K/1608  [R1608]  101.65 118.25 90 top
R39  47K/1608  [R1608]  102.85 118.25 90 top
R40  47K/1608  [R1608]  104.05 118.25 90 top
R45  10K/1608  [R1608]  148.15 19.1 270 top
R46  10/1608  [R1608]  151.7 24.85 180 top
R47  10K/1608  [R1608]  148.15 16.3 90 top
R48  10/1608  [R1608]  151.7 23.65 180 top
R85  2K/1608  [R1608]  164.9 131.55 270 top
R86  2K/1608  [R1608]  162.35 131.55 270 top
R87  2K/1608  [R1608]  159.8 131.55 270 top
R88  2K/1608  [R1608]  157.3 131.55 270 top
R144  15/1608  [R1608]  35.95 26 270 top
R151  15/1608  [R1608]  30.45 46.25 180 top
R156  10K/1608  [R1608]  86 60.45 180 top
R157  10K/1608  [R1608]  86 59.25 180 top
R158  3.3K_F/1608  [R1608]  102.45 54.75 0 top
R160  3.3K_F/1608  [R1608]  102.45 55.95 0 top
R162  NA_10K/1608  [R1608]  86 56.85 180 top
R163  10K/1608  [R1608]  86 55.65 180 top
R164  10K/1608  [R1608]  86 58.05 0 top
R165  NA_10K/1608  [R1608]  86 54.45 0 top
R171  2K/1608  [R1608]  152.85 131.57 270 top
R176  1K/1608  [R1608]  126.9 131.55 90 top
R178  1K/1608  [R1608]  129.45 131.55 90 top
R180  1K/1608  [R1608]  132 131.55 90 top
R188  1K/1608  [R1608]  134.55 131.55 90 top
R189  1K/1608  [R1608]  115.4 131.55 90 top
R191  1K/1608  [R1608]  117.95 131.55 90 top
R193  1K/1608  [R1608]  120.5 131.55 90 top
R198  1K/1608  [R1608]  123.05 131.55 90 top
R199  1K/1608  [R1608]  68.8 131.5 90 top
R200  1K/1608  [R1608]  71.35 131.5 90 top
R201  1K/1608  [R1608]  73.9 131.5 90 top
R206  1K/1608  [R1608]  76.45 131.5 90 top
R207  1K/1608  [R1608]  54.8 131.5 90 top
R208  1K/1608  [R1608]  57.35 131.5 90 top
R209  1K/1608  [R1608]  59.9 131.5 90 top
R214  1K/1608  [R1608]  62.45 131.5 90 top
R215  1K/1608  [R1608]  41.95 131.55 90 top
R216  1K/1608  [R1608]  48.15 131.55 90 top
R221  15/1608  [R1608]  30.45 48.1 180 top
R223  2K/1608  [R1608]  43 54.75 180 top
R229  15/1608  [R1608]  30.45 60.6 180 top
R231  2K/1608  [R1608]  43 67.25 180 top
R232  3.3K_F/1608  [R1608]  111.9 56 270 top
R233  3.3K_F/1608  [R1608]  111.9 53.2 270 top
R246  3.3K_F/1608  [R1608]  102.45 58.35 0 top
R247  3.3K_F/1608  [R1608]  102.45 59.55 0 top
R255  1K/1608  [R1608]  86.7 85.35 180 top
R256  2K/1608  [R1608]  60.75 88.25 90 top
R265  2K/1608  [R1608]  44.1 32.4 180 top
R266  2K/1608  [R1608]  46.8 40.95 180 top
R269  100/1608  [R1608]  80.35 18.4 270 top
R270  100/1608  [R1608]  77.85 18.4 270 top
R271  100/1608  [R1608]  75.35 18.4 270 top
R272  100/1608  [R1608]  61.95 32.1 270 top
R334  1K/1608  [R1608]  99.15 54.75 0 top
R335  1K/1608  [R1608]  99.15 55.95 0 top
R336  91_F/1608  [R1608]  102.45 57.15 0 top
R337  1K/1608  [R1608]  99.15 58.35 0 top
R338  1K/1608  [R1608]  99.15 59.55 0 top
R339  91_F/1608  [R1608]  102.45 60.75 0 top
R340  91_F/1608  [R1608]  113.1 53.2 270 top
R341  1K/1608  [R1608]  113.1 56 270 top
R342  1K/1608  [R1608]  111.9 58.8 270 top
R344  3.9K_F/1608  [R1608]  116.85 61.45 180 top
R345  1K/1608  [R1608]  117.1 52.5 90 top
R346  3.3K_F/1608  [R1608]  122.2 56 270 top
R347  3.3K_F/1608  [R1608]  122.2 53.2 270 top
R348  1K/1608  [R1608]  123.4 56 270 top
R349  91_F/1608  [R1608]  123.4 53.2 270 top
R350  3.9K_F/1608  [R1608]  127.15 61.45 180 top
R351  1K/1608  [R1608]  127.4 52.5 90 top
R352  1K/1608  [R1608]  122.2 58.8 270 top
R355  470/1608  [R1608]  137.55 23.9 180 top
R356  470/1608  [R1608]  140.35 23.9 0 top
R359  470/1608  [R1608]  154.5 24.85 180 top
R360  470/1608  [R1608]  154.5 23.65 180 top
R363  470/1608  [R1608]  147 109.95 90 top
R364  470/1608  [R1608]  143.95 101.95 180 top
R367  470/1608  [R1608]  143.9 66.05 180 top
R368  470/1608  [R1608]  143.9 70.9 180 top
R371  470/1608  [R1608]  146.1 37.15 0 top
R372  470/1608  [R1608]  142.45 46.25 180 top
R374  10K/1608  [R1608]  119 82.65 270 top
R375  0/3216  [R3216]  99.15 51.4 180 top
R381  100K/1608  [R1608]  44.95 20 90 top
R383  100K/1608  [R1608]  41.35 22 0 top
R384  100K/1608  [R1608]  44.2 26.15 270 top
R385  75_F/1608  [R1608]  44.15 18 0 top
R386  100K/1608  [R1608]  40.55 20 90 top
R387  75_F/1608  [R1608]  41.35 18 0 top
R388  NA_0/1608  [R1608]  42.15 20 90 top
R407  4.7K/3216  [R3216]  165.65 148.9 90 top
R408  4.7K/3216  [R3216]  162.15 148.9 90 top
R409  4.7K/3216  [R3216]  158.65 148.9 90 top
R410  4.7K/3216  [R3216]  155.15 148.9 90 top
R411  4.7K/3216  [R3216]  151.65 148.9 90 top
R424  NA_10K/1608  [R1608]  113.75 102.6 270 top
R425  10K/1608  [R1608]  113.75 99.05 270 top
R426  NA_10K/1608  [R1608]  112.55 102.6 270 top
R427  10K/1608  [R1608]  112.55 99.05 270 top
R428  120/1608  [R1608]  176.3 40.35 270 top
R429  470/1608  [R1608]  161.2 40.2 90 top
R430  470/1608  [R1608]  161.2 37.3 90 top
R438  10K/1608  [R1608]  162.15 102.6 0 top
R439  10K/1608  [R1608]  162.15 103.8 0 top
R446  2K/1608  [R1608]  74.15 18.4 270 top
R448  2K/1608  [R1608]  53.2 18.4 270 top
R461  1.5K/1608  [R1608]  147 112.75 90 top
R462  270/1608  [R1608]  162.15 105 0 top
R463  270/1608  [R1608]  147 103.15 90 top
R464  1.5K/1608  [R1608]  162.15 101.4 0 top
R465  1.5K/1608  [R1608]  146.95 81.7 90 top
R466  270/1608  [R1608]  161.95 72 0 top
R467  10K/1608  [R1608]  161.95 69.6 0 top
R468  10K/1608  [R1608]  161.95 70.8 0 top
R469  270/1608  [R1608]  146.95 72.1 90 top
R470  1.5K/1608  [R1608]  161.95 68.4 0 top
R471  1.5K/1608  [R1608]  146.05 39.7 0 top
R472  270/1608  [R1608]  161.95 35.15 180 top
R474  270/1608  [R1608]  142.45 47.45 180 top
R475  1.5K/1608  [R1608]  162 44.55 0 top
R476  2K/1608  [R1608]  60.75 32.1 270 top
R477  2K/1608  [R1608]  81.65 32.1 270 top
R478  100/1608  [R1608]  59.45 18.4 270 top
R479  100/1608  [R1608]  56.95 18.4 270 top
R480  100/1608  [R1608]  54.4 18.4 270 top
R481  100/1608  [R1608]  82.85 32.1 270 top
R482  1K/1608  [R1608]  67.65 63.65 90 top
R483  1K/1608  [R1608]  66.4 63.65 90 top
R484  10K/1608  [R1608]  62.75 67.2 270 top
R485  NA_0/3216  [R3216]  168.2 139.55 90 top
R486  NA_0/3216  [R3216]  168.2 135.25 90 top
R487  NA_0/3216  [R3216]  38.8 139.5 90 top
R488  NA_0/3216  [R3216]  38.8 135.2 90 top
R489  6.2K_F/1608  [R1608]  60.3 119.05 270 top
R490  2K_F/1608  [R1608]  61.5 119.05 90 top
R491  NA_0/1608  [R1608]  67.6 74.85 270 top
R492  NA_0/1608  [R1608]  66.4 74.85 270 top
R493  47/1608  [R1608]  106.65 81.5 270 top
R494  47/1608  [R1608]  107.85 81.5 270 top
R495  47/1608  [R1608]  109.05 81.5 270 top
R496  47/1608  [R1608]  108.96 85.85 180 top
R497  47/1608  [R1608]  108.95 84.65 180 top
R498  2K/1608  [R1608]  164.7 129.55 180 top
R499  2K/1608  [R1608]  161.9 129.55 180 top
R500  2K/1608  [R1608]  159.1 129.55 180 top
R501  2K/1608  [R1608]  156.3 129.55 180 top
R502  2K/1608  [R1608]  150.45 131.55 270 top
R503  2K/1608  [R1608]  134.55 128.75 90 top
R504  2K/1608  [R1608]  132 128.75 90 top
R505  2K/1608  [R1608]  129.45 128.75 90 top
R506  2K/1608  [R1608]  126.9 128.75 90 top
R507  2K/1608  [R1608]  123.05 128.75 90 top
R508  2K/1608  [R1608]  120.5 128.75 90 top
R509  2K/1608  [R1608]  117.95 128.75 90 top
R510  2K/1608  [R1608]  115.4 128.75 90 top
R511  2K/1608  [R1608]  76.45 128.7 90 top
R512  2K/1608  [R1608]  73.9 128.7 90 top
R513  2K/1608  [R1608]  71.35 128.7 90 top
R514  2K/1608  [R1608]  68.8 128.7 90 top
R515  2K/1608  [R1608]  62.45 128.7 90 top
R516  2K/1608  [R1608]  59.9 128.7 90 top
R517  2K/1608  [R1608]  57.35 128.7 90 top
R518  2K/1608  [R1608]  54.8 128.7 90 top
R519  2K/1608  [R1608]  48.15 128.75 90 top
R520  2K/1608  [R1608]  41.95 128.75 90 top
R521  2K/1608  [R1608]  44.45 83.1 90 top
R522  2K/1608  [R1608]  44.45 86 270 top
R523  100/1608  [R1608]  37.2 59.15 90 top
R524  10K_F/1608  [R1608]  35.45 61.7 180 top
R525  10K_F/1608  [R1608]  32.05 57.5 270 top
R526  150_F/1608  [R1608]  30.05 54.9 0 top
R527  100/1608  [R1608]  30.05 53.3 180 top
R528  150_F/1608  [R1608]  30.05 67.4 0 top
R529  10K_F/1608  [R1608]  31.3 69.15 180 top
R530  100/1608  [R1608]  30.05 65.8 180 top
R531  100/1608  [R1608]  37.2 71.65 90 top
R532  10K_F/1608  [R1608]  32.1 71.65 90 top
R533  200_F/1608  [R1608]  32.9 32.4 0 top
R534  10K_F/1608  [R1608]  32.9 33.65 180 top
R535  100/1608  [R1608]  32.9 29.9 180 top
R536  100/1608  [R1608]  44.1 31.05 0 top
R537  10K_F/1608  [R1608]  47.3 27 180 top
R538  200_F/1608  [R1608]  34.85 41.1 0 top
R539  10K_F/1608  [R1608]  35.65 43.2 90 top
R540  100/1608  [R1608]  31.1 41.05 180 top
R541  100/1608  [R1608]  42 44.95 270 top
R542  10K_F/1608  [R1608]  39.6 47.7 0 top
SW1  TS-1109  [SW_TS_1109_4P]  113.55 67.95 270 top
SW2  DIP_SW_7.62mm_PITCH  [DUMMY_SW_2P]  114.4 79.6 90 top
T1  760390014  [TF_760390014_6P]  153.7 119.55 0 top
T2  760390014  [TF_760390014_6P]  153.6 88.5 0 top
T3  760390014  [TF_760390014_6P]  153.6 55.4 0 top
TP13  TP  [TP_100]  49.85 45.4 0 top
TP14  TP  [TP_100]  51.35 44.4 0 top
TP15  TP  [TP_100]  48.5 33.9 90 top
TP20  TP  [TP_100]  49.85 43.4 0 top
TP77  TP  [TP_100]  95.95 76.9 0 top
TP78  TP  [TP_100]  101.4 78.2 0 top
TP79  TP  [TP_100]  108.15 102.95 0 top
TP80  TP  [TP_100]  108.15 101.55 0 top
TP81  TP  [TP_100]  112.72 94.85 0 top
TP82  TP  [TP_100]  112.72 96.28 0 top
TP83  TP  [TP_100]  108.15 104.35 0 top
TP84  TP  [TP_100]  109.45 102.95 0 top
TP93  TP  [TP_100]  86.75 89.4 0 top
TP95  TP  [TP_100]  98.6 103.85 0 top
TP96  TP  [TP_100]  111.05 88.15 0 top
TP97  TP  [TP_100]  112.45 88.2 0 top
TP98  TP  [TP_100]  101.4 76.8 0 top
TP99  TP  [TP_100]  113.9 88.2 0 top
TP100  TP  [TP_100]  91.25 80.25 0 top
TP101  TP  [TP_100]  94.65 78.3 0 top
TP102  TP  [TP_100]  94.65 76.9 0 top
TP116  TP  [TP_100]  84.25 115.7 0 top
TP117  TP  [TP_100]  84.25 109.5 0 top
TP118  TP  [TP_100]  90.45 115.7 0 top
TP120  TP  [TP_100]  115.35 88.2 0 top
TP121  TP  [TP_100]  116.8 88.2 0 top
TP122  TP  [TP_100]  107.85 79.4 0 top
U1  STM32F407IG  [BGA_10X10_201P]  100.55 89.9 270 top
U3  NA_AT24CM01  [TSSOP_8P_B]  79.9 74 270 top
U6  TLV1117-33CD  [SOT_223_4P_C]  75.15 87.4 90 top
U7  SN74LVC540APWR  [TSSOP_20P_C]  99.85 111.9 180 top
U9  LTC2630  [SC70_6P_B]  45.8 34.55 270 top
U12  LTC2630  [SC70_6P_B]  46.9 43.35 270 top
U14  ULN2003ADR  [SOIC_16P]  49.95 82 90 top
